# KiCad board DFTBoard.kicad_pcb (continued)
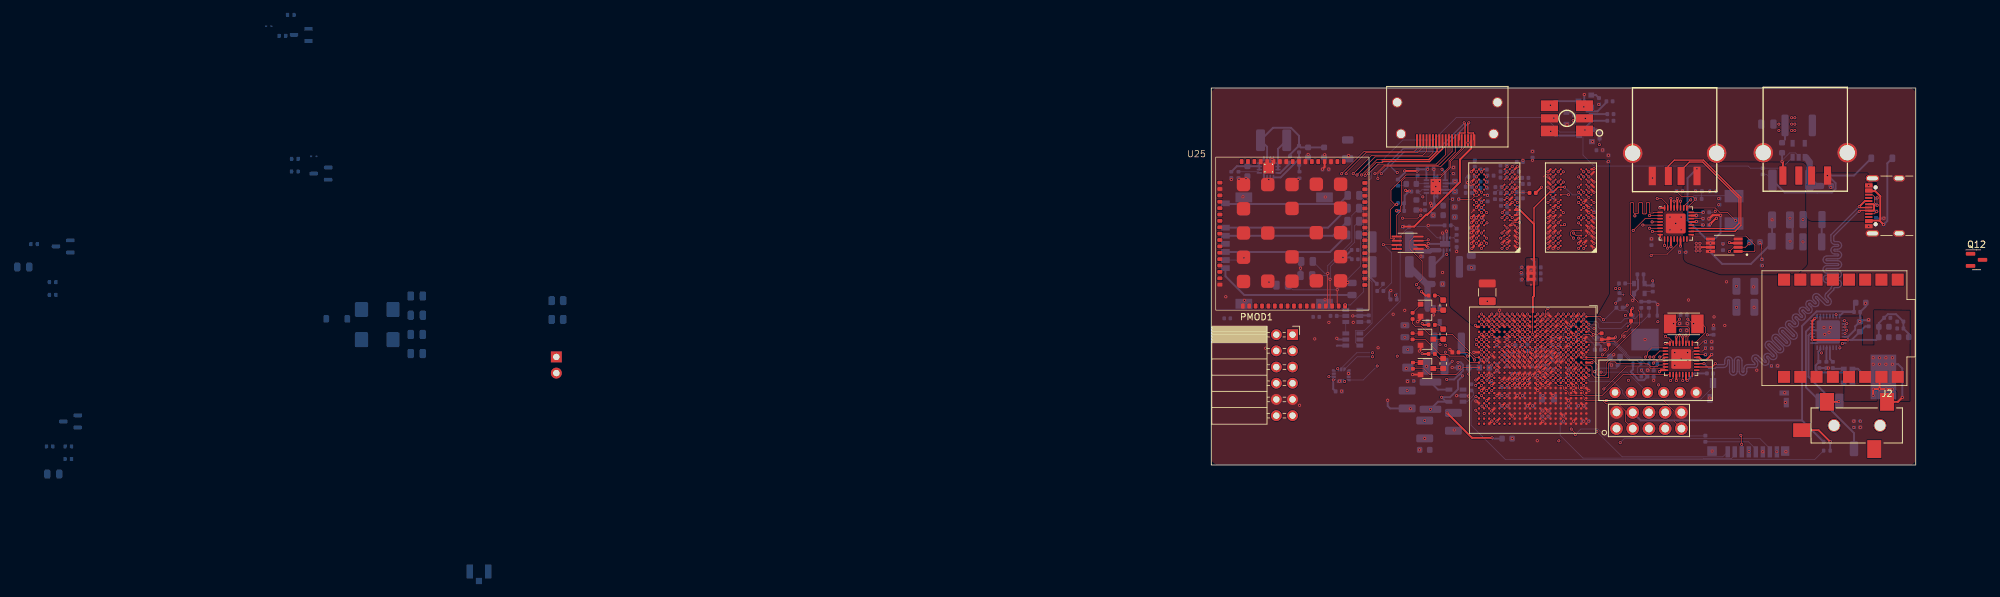
[diagram p0: board, top side]
## Routing (per net, layer and track width the routed paths; a pad name or vN(x,y) marks a point on that pad's centre or on a via; arc(x,y) is an arc through that point) (continued)
DDR3_DQS0_N: length 31.7
  TOP_GND w0.102: U16.G3 v1(57.51,38.77)
  TOP_GND w0.13: U20.D2 v1(56.71,22.88)
  SIGNAL2 w0.102: v1(56.71,22.88) 57.1,23.26 57.1,24.49 57.31,24.7 58.13,24.7 58.21,24.77 58.24,24.81 58.26,24.85 58.27,24.89 58.27,24.94 58.26,24.98 58.24,25.02 58.21,25.06 58.12,25.14 58.07,25.21 58.03,25.29 58.01,25.37 58.01,25.45 58.03,25.54 58.07,25.61 58.12,25.68 58.15,25.71 58.22,25.76 58.3,25.8 58.38,25.82 58.46,25.82 58.55,25.8 58.62,25.76 58.69,25.71 59.45,24.95 59.49,24.92 59.53,24.9 59.57,24.89 59.61,24.89 59.66,24.9 59.7,24.92 59.73,24.95 59.76,24.99 59.78,25.02 59.79,25.07 59.79,25.11 59.78,25.16 59.76,25.2 59.73,25.23 58.97,25.99 58.92,26.06 58.88,26.13 58.86,26.22 58.86,26.3 58.88,26.39 58.92,26.46 58.97,26.53 59,26.56 59.07,26.61 59.15,26.65 59.23,26.67 59.31,26.67 59.4,26.65 59.47,26.61 59.54,26.56 60.3,25.8 60.33,25.77 60.37,25.75 60.42,25.74 60.46,25.74 60.51,25.75 60.55,25.77 60.58,25.8 60.61,25.83 60.63,25.87 60.64,25.92 60.64,25.96 60.63,26 60.61,26.04 60.58,26.08 60.31,26.34 60.26,26.41 60.23,26.49 60.21,26.57 60.21,26.65 60.23,26.74 60.26,26.81 60.31,26.88 60.74,27.3 60.74,27.42 60.74,27.47 60.72,27.51 60.7,27.54 60.67,27.57 60.63,27.6 60.59,27.61 60.55,27.61 60.32,27.61 60.23,27.62 60.15,27.65 60.08,27.7 60.01,27.76 59.97,27.83 59.94,27.92 59.93,28 59.93,28.05 59.94,28.13 59.97,28.22 60.01,28.29 60.08,28.35 60.15,28.4 60.23,28.43 60.32,28.44 60.55,28.44 60.59,28.44 60.63,28.45 60.67,28.48 60.7,28.51 60.72,28.54 60.74,28.58 60.74,28.62 60.74,28.67 60.72,28.71 60.7,28.74 60.67,28.77 60.63,28.8 60.59,28.81 60.55,28.81 60.32,28.81 60.23,28.82 60.15,28.85 60.08,28.9 60.01,28.96 59.97,29.03 59.94,29.12 59.93,29.2 59.93,29.25 59.94,29.33 59.97,29.42 60.01,29.49 60.08,29.55 60.15,29.6 60.23,29.63 60.32,29.64 60.55,29.64 60.59,29.64 60.63,29.65 60.67,29.68 60.7,29.71 60.72,29.74 60.74,29.78 60.74,29.82 60.74,29.87 60.72,29.91 60.7,29.94 60.67,29.97 60.63,30 60.59,30.01 60.55,30.01 60.32,30.01 60.23,30.02 60.15,30.05 60.08,30.1 60.01,30.16 59.97,30.23 59.94,30.32 59.93,30.4 59.93,30.45 59.94,30.53 59.97,30.62 60.01,30.69 60.08,30.75 60.15,30.8 60.23,30.83 60.32,30.84 60.55,30.84 60.59,30.84 60.63,30.85 60.67,30.88 60.7,30.91 60.72,30.94 60.74,30.98 60.74,31.02 60.74,31.07 60.72,31.11 60.7,31.14 60.67,31.17 60.63,31.2 60.59,31.21 60.55,31.21 60.37,31.21 60.28,31.22 60.2,31.25 60.13,31.3 60.06,31.36 60.02,31.43 59.99,31.52 59.98,31.6 59.98,31.65 59.99,31.73 60.02,31.82 60.06,31.89 60.13,31.95 60.2,32 60.28,32.03 60.37,32.04 60.55,32.04 60.59,32.04 60.63,32.05 60.67,32.08 60.7,32.11 60.72,32.14 60.74,32.18 60.74,32.22 60.74,36.45 60.42,36.77 58.91,36.77 58.71,36.97 58.71,37.37 57.71,38.37 57.4,38.37 57.22,38.56 57.22,38.73 57.26,38.77 v1(57.51,38.77)
DDR3_DQS0_P: length 32.1
  TOP_GND w0.102: U16.F3 v1(58.31,38.77)
  TOP_GND w0.13: U20.C2 v1(57.51,22.88)
  SIGNAL2 w0.102: v1(57.51,22.88) 57.51,22.95 57.88,23.32 57.88,23.87 57.68,24.07 57.46,24.07 57.36,24.17 57.36,24.32 57.53,24.5 58.22,24.5 58.37,24.65 58.42,24.71 58.46,24.79 58.48,24.87 58.48,24.96 58.46,25.04 58.42,25.12 58.37,25.18 58.28,25.27 58.25,25.31 58.24,25.35 58.23,25.39 58.23,25.43 58.24,25.48 58.25,25.52 58.28,25.55 58.32,25.58 58.36,25.6 58.4,25.61 58.44,25.61 58.49,25.6 58.53,25.58 58.56,25.55 59.32,24.79 59.39,24.74 59.47,24.7 59.55,24.68 59.63,24.68 59.72,24.7 59.79,24.74 59.86,24.79 59.89,24.82 59.95,24.89 59.98,24.97 60,25.05 60,25.13 59.98,25.22 59.95,25.29 59.89,25.36 59.13,26.12 59.1,26.15 59.08,26.19 59.07,26.24 59.07,26.28 59.08,26.33 59.1,26.37 59.13,26.4 59.17,26.43 59.21,26.45 59.25,26.46 59.29,26.46 59.34,26.45 59.38,26.43 59.41,26.4 60.17,25.64 60.24,25.59 60.32,25.55 60.4,25.53 60.48,25.53 60.57,25.55 60.64,25.59 60.71,25.64 60.74,25.67 60.79,25.74 60.83,25.81 60.85,25.9 60.85,25.98 60.83,26.06 60.79,26.14 60.74,26.21 60.48,26.47 60.45,26.51 60.43,26.55 60.42,26.59 60.42,26.63 60.43,26.68 60.45,26.72 60.48,26.75 60.96,27.24 60.96,27.45 60.95,27.53 60.92,27.62 60.88,27.69 60.81,27.75 60.74,27.8 60.66,27.83 60.57,27.84 60.34,27.84 60.3,27.84 60.26,27.85 60.22,27.88 60.19,27.91 60.17,27.94 60.15,27.98 60.15,28.02 60.15,28.07 60.17,28.11 60.19,28.14 60.22,28.17 60.26,28.2 60.3,28.21 60.34,28.21 60.57,28.21 60.66,28.22 60.74,28.25 60.81,28.3 60.88,28.36 60.92,28.43 60.95,28.52 60.96,28.6 60.96,28.65 60.95,28.73 60.92,28.82 60.88,28.89 60.81,28.95 60.74,29 60.66,29.03 60.57,29.04 60.34,29.04 60.3,29.04 60.26,29.05 60.22,29.08 60.19,29.11 60.17,29.14 60.15,29.18 60.15,29.22 60.15,29.27 60.17,29.31 60.19,29.34 60.22,29.37 60.26,29.4 60.3,29.41 60.34,29.41 60.57,29.41 60.66,29.42 60.74,29.45 60.81,29.5 60.88,29.56 60.92,29.63 60.95,29.72 60.96,29.8 60.96,29.85 60.95,29.93 60.92,30.02 60.88,30.09 60.81,30.15 60.74,30.2 60.66,30.23 60.57,30.24 60.34,30.24 60.3,30.24 60.26,30.25 60.22,30.28 60.19,30.31 60.17,30.34 60.15,30.38 60.15,30.42 60.15,30.47 60.17,30.51 60.19,30.54 60.22,30.57 60.26,30.6 60.3,30.61 60.34,30.61 60.57,30.61 60.66,30.62 60.74,30.65 60.81,30.7 60.88,30.76 60.92,30.83 60.95,30.92 60.96,31 60.96,31.05 60.95,31.13 60.92,31.22 60.88,31.29 60.81,31.35 60.74,31.4 60.66,31.43 60.57,31.44 60.39,31.44 60.35,31.44 60.31,31.45 60.27,31.48 60.24,31.51 60.22,31.54 60.2,31.58 60.2,31.62 60.2,31.67 60.22,31.71 60.24,31.74 60.27,31.77 60.31,31.8 60.35,31.81 60.39,31.81 60.57,31.81 60.66,31.82 60.74,31.85 60.81,31.9 60.88,31.96 60.92,32.03 60.95,32.12 60.96,32.2 60.96,33.24 60.94,33.26 60.94,37.52 60.88,37.57 58.91,37.57 58.41,38.07 58.41,38.26 58.72,38.57 58.72,38.87 58.61,38.97 58.51,38.97 v1(58.31,38.77)
DDR3_DQS1_N: length 18.8
  TOP_GND w0.102: U16.B7 v1(54.31,34.77)
  TOP_GND w0.13: U20.J2 v1(52.71,22.88)
  SIGNAL2 w0.102: v1(52.71,22.88) 52.32,23.27 52.32,23.86 52.64,24.18 52.9,24.18 53.1,24.39 53.1,26.31 53.44,26.65 53.44,28.71 53.45,28.76 53.47,28.81 53.49,28.85 53.53,28.89 53.58,28.92 53.62,28.93 53.68,28.94 53.79,28.94 53.8,28.94 53.81,28.94 53.82,28.95 53.83,28.95 53.83,28.96 53.83,28.97 53.84,28.98 53.84,29.25 53.72,29.36 53.13,29.36 53.04,29.37 52.96,29.4 52.89,29.45 52.83,29.51 52.79,29.58 52.76,29.66 52.75,29.74 52.75,29.79 52.76,29.88 52.79,29.96 52.83,30.03 52.89,30.09 52.96,30.13 53.04,30.16 53.13,30.17 53.25,30.17 53.29,30.17 53.33,30.19 53.37,30.21 53.4,30.24 53.42,30.28 53.44,30.32 53.44,30.36 53.44,32.55 54.83,33.93 55.53,33.93 55.66,34.06 55.66,35.19 55.48,35.37 54.91,35.37 v1(54.31,34.77)
DDR3_DQS1_P: length 18.4
  TOP_GND w0.102: U16.C7 v1(54.31,35.57)
  TOP_GND w0.13: U20.H2 v1(53.51,22.88)
  SIGNAL2 w0.102: v1(53.51,22.88) 53.51,23.82 53.45,23.89 53.45,24.11 53.31,24.25 53.31,26.22 53.65,26.56 53.65,28.69 53.65,28.7 53.65,28.71 53.66,28.72 53.66,28.72 53.67,28.73 53.68,28.73 53.69,28.73 53.81,28.73 53.86,28.74 53.91,28.76 53.95,28.78 53.99,28.82 54.02,28.87 54.03,28.92 54.04,28.97 54.04,29.31 54.03,29.36 54.02,29.41 53.99,29.45 53.87,29.57 53.15,29.57 53.11,29.57 53.07,29.59 53.03,29.61 53,29.64 52.98,29.68 52.96,29.72 52.96,29.76 52.96,29.77 52.96,29.81 52.98,29.86 53,29.89 53.03,29.92 53.07,29.95 53.11,29.96 53.15,29.96 53.27,29.96 53.36,29.97 53.44,30 53.51,30.05 53.57,30.11 53.61,30.18 53.64,30.26 53.65,30.34 53.65,32.47 54.91,33.73 55.61,33.73 55.86,33.97 55.86,35.27 55.56,35.57 v1(54.31,35.57)
DDR3_DQS2_N: length 21.4
  TOP_GND w0.102: U15.G3 v1(45.51,38.77)
  TOP_GND w0.13: U20.P2 v1(47.91,22.88)
  SIGNAL2 w0.102: v1(47.91,22.88) 47.51,23.27 47.51,23.86 47.11,24.26 47.11,24.47 47.51,24.88 47.51,27.24 47.52,27.29 47.53,27.34 47.56,27.38 47.59,27.42 47.64,27.44 47.68,27.46 47.73,27.47 47.85,27.47 47.86,27.47 47.86,27.47 47.87,27.47 47.88,27.48 47.88,27.49 47.88,27.49 47.88,27.5 47.88,27.64 47.88,27.64 47.88,27.65 47.87,27.65 47.84,27.69 47.28,27.69 47.21,27.69 47.15,27.71 47.1,27.75 47.05,27.79 47.02,27.85 46.99,27.91 46.99,27.97 46.99,28.01 46.99,28.07 47.02,28.13 47.05,28.19 47.1,28.23 47.15,28.27 47.21,28.29 47.28,28.3 47.85,28.3 47.86,28.3 47.86,28.3 47.87,28.3 47.88,28.31 47.88,28.32 47.88,28.32 47.88,28.33 47.88,28.47 47.88,28.48 47.88,28.48 47.88,28.49 47.87,28.49 47.86,28.5 47.86,28.5 47.85,28.5 47.28,28.5 47.21,28.51 47.15,28.53 47.1,28.56 47.05,28.61 47.02,28.66 46.99,28.73 46.99,28.79 46.99,28.82 46.99,28.89 47.02,28.95 47.05,29 47.1,29.05 47.15,29.08 47.21,29.11 47.28,29.11 47.41,29.11 47.43,29.12 47.45,29.12 47.47,29.14 47.49,29.15 47.5,29.17 47.51,29.19 47.51,29.22 47.51,29.42 47.28,29.65 47.28,32.31 47.29,32.32 47.29,36.99 46.71,37.57 46.37,37.57 45.51,38.44 v1(45.51,38.77)
DDR3_DQS2_P: length 21.8
  TOP_GND w0.102: U15.F3 v1(46.31,38.77)
  TOP_GND w0.13: U20.N2 v1(48.71,22.88)
  SIGNAL2 w0.102: v1(48.71,22.88) 48.32,23.27 48.32,23.92 47.71,24.52 47.71,27.23 47.71,27.24 47.72,27.24 47.72,27.25 47.73,27.26 47.73,27.26 47.74,27.26 47.75,27.26 47.86,27.26 47.91,27.27 47.96,27.28 48,27.31 48.04,27.35 48.06,27.39 48.08,27.44 48.09,27.49 48.09,27.65 48.08,27.7 48.06,27.75 48.04,27.79 48,27.83 47.96,27.85 47.92,27.89 47.29,27.89 47.27,27.89 47.25,27.9 47.23,27.91 47.21,27.93 47.2,27.95 47.19,27.97 47.19,27.99 47.19,28.01 47.2,28.04 47.21,28.05 47.23,28.07 47.25,28.08 47.27,28.09 47.29,28.09 47.86,28.09 47.91,28.1 47.96,28.12 48,28.14 48.04,28.18 48.06,28.22 48.08,28.27 48.09,28.32 48.09,28.48 48.08,28.53 48.06,28.58 48.04,28.62 48,28.66 47.96,28.68 47.91,28.7 47.86,28.71 47.29,28.71 47.27,28.71 47.25,28.72 47.23,28.73 47.21,28.74 47.2,28.76 47.19,28.78 47.19,28.81 47.19,28.83 47.2,28.85 47.21,28.87 47.23,28.89 47.25,28.9 47.27,28.91 47.29,28.91 47.43,28.91 47.49,28.92 47.55,28.94 47.61,28.97 47.65,29.02 47.69,29.07 47.71,29.13 47.71,29.2 47.71,29.51 47.49,29.73 47.49,37.95 47.28,38.16 46.12,38.16 46.01,38.27 46.01,38.47 v1(46.31,38.77)
DDR3_DQS3_N: length 18.3
  TOP_GND w0.102: U15.B7 v1(43.11,34.77)
  TOP_GND w0.13: U20.W2 v1(43.91,22.88)
  SIGNAL1 w0.102: v1(43.11,34.77) 43.66,34.22 43.66,34.07 43.46,33.87 43.46,33.67 43.66,33.47 43.66,29.4 43.65,29.34 43.63,29.28 43.6,29.23 43.56,29.18 43.5,29.15 43.45,29.13 43.38,29.12 43.18,29.12 43.07,29.11 42.96,29.08 42.87,29.02 42.79,28.94 42.73,28.84 42.7,28.74 42.68,28.63 42.68,28.57 42.7,28.46 42.73,28.36 42.79,28.26 42.87,28.18 42.96,28.12 43.07,28.09 43.18,28.07 44.06,28.07 44.07,28.07 44.08,28.07 44.09,28.06 44.09,28.05 44.09,27.55 44.08,27.54 44.08,27.53 44.07,27.53 44.06,27.52 43.18,27.52 43.07,27.51 42.96,27.48 42.87,27.42 42.79,27.34 42.73,27.24 42.7,27.14 42.68,27.03 42.68,26.97 42.7,26.86 42.73,26.76 42.79,26.66 42.87,26.58 42.96,26.52 43.07,26.49 43.18,26.47 44.01,26.47 44.08,26.41 44.08,26.4 44.08,26.39 44.09,26.38 44.09,25.88 44.08,25.87 44.08,25.86 44.07,25.85 44.06,25.85 43.92,25.85 43.86,25.84 43.81,25.82 43.76,25.79 43.72,25.75 43.69,25.7 43.67,25.65 43.66,25.59 43.66,24.27 43.21,23.82 43.21,23.57 v1(43.91,22.88)
DDR3_DQS3_P: length 19.2
  TOP_GND w0.102: U15.C7 v1(43.11,35.57) ; U20.V2 v1(44.71,22.88)
  SIGNAL1 w0.102: v1(44.71,22.88) 44.31,23.27 44.31,23.88 43.91,24.27 43.91,25.57 43.91,25.59 43.92,25.6 43.93,25.6 43.94,25.6 44.08,25.6 44.13,25.61 44.19,25.63 44.24,25.66 44.28,25.7 44.31,25.75 44.33,25.8 44.34,25.86 44.34,26.39 44.33,26.45 44.31,26.5 44.09,26.72 43.21,26.72 43.15,26.73 43.09,26.75 43.04,26.78 42.99,26.83 42.96,26.88 42.94,26.94 42.93,27 42.94,27.06 42.96,27.12 42.99,27.17 43.04,27.22 43.09,27.25 43.15,27.27 43.21,27.27 44.08,27.27 44.13,27.28 44.19,27.3 44.24,27.33 44.28,27.37 44.31,27.42 44.33,27.48 44.34,27.53 44.34,28.07 44.33,28.12 44.31,28.18 44.28,28.23 44.24,28.27 44.19,28.3 44.13,28.32 44.08,28.32 43.21,28.32 43.15,28.33 43.09,28.35 43.04,28.38 42.99,28.43 42.96,28.48 42.94,28.54 42.93,28.6 42.94,28.66 42.96,28.72 42.99,28.77 43.04,28.82 43.09,28.85 43.15,28.87 43.21,28.88 43.42,28.88 43.53,28.89 43.63,28.92 43.72,28.98 43.8,29.06 43.86,29.16 43.9,29.26 43.91,29.37 43.91,35.22 43.56,35.57 v1(43.11,35.57)
DDR3_DRST#: length 53.9
  TOP_GND w0.102: U15.T2 v1(47.11,46.77) ; U16.T2 v1(59.11,45.97)
  TOP_GND w0.13: 54.71,21.67 v1(55.11,22.07)
  SIGNAL2 w0.102: v1(47.11,46.77) 47.61,47.27 49.96,47.27 49.99,47.27 50.02,47.26 50.04,47.25 50.06,47.22 50.08,47.2 50.09,47.17 50.1,47.11 50.11,47.08 50.12,47.06 50.14,47.04 50.17,47.02 50.2,47.01 50.23,47.01 50.36,47.01 50.39,47.01 50.42,47.02 50.44,47.04 50.46,47.06 50.48,47.08 50.49,47.11 50.5,47.17 50.51,47.2 50.52,47.22 50.54,47.25 50.57,47.26 50.6,47.27 50.63,47.27 57.81,47.27 v1(59.11,45.97)
  SIGNAL4 w0.102: v1(59.11,45.97) 59.51,46.37 59.52,46.37 59.52,46.32 59.75,46.09 60.08,46.09 60.31,46.32 60.31,46.37 61.51,46.37 64.76,43.12 64.76,30.82 59.21,25.27 59.21,23.88 58.61,23.27 58.11,23.27 57.93,23.46 57.93,24.2 57.81,24.32 57.26,24.32 57.1,24.16 57.1,23.49 57.11,23.48 57.11,21.89 56.9,21.68 56.52,21.68 56.52,21.68 56.36,21.52 56.36,21.14 56.09,20.88 55.73,20.88 55.51,21.09 55.51,21.47 55.51,21.47 55.51,21.67 v1(55.11,22.07)
  BOTTOM w0.102: R74.1 47.11,46.81 v1(47.11,46.77)
DDR3_ODT: length 48.4
  TOP_GND w0.102: U16.K1 v1(59.91,41.17) ; U15.K1 v1(47.91,41.17)
  TOP_GND w0.13: U20.P5 v1(47.91,20.47)
  SIGNAL2 w0.102: v1(59.91,41.17) 59.5,41.58 58.92,41.58 58.72,41.79 58.7,41.79 58.41,42.07 58.19,42.07 57.69,41.57 51.56,41.57 51.41,41.42 48.16,41.42 v1(47.91,41.17)
  SIGNAL4 w0.102: v1(47.91,20.47) 47.91,20.81 47.92,20.82 48.06,20.82 48.31,21.07 48.31,24.85 48.33,24.87 48.36,24.88 48.39,24.89 48.42,24.89 48.46,24.88 48.48,24.87 48.51,24.85 48.62,24.74 48.64,24.72 48.67,24.71 48.7,24.7 48.73,24.7 48.76,24.71 48.79,24.72 48.82,24.74 48.9,24.83 48.92,24.85 48.93,24.88 48.94,24.91 48.94,24.94 48.93,24.97 48.92,25 48.9,25.02 48.45,25.48 48.43,25.5 48.41,25.53 48.41,25.56 48.41,25.59 48.41,25.62 48.43,25.65 48.45,25.67 48.53,25.76 48.56,25.78 48.59,25.79 48.62,25.8 48.65,25.8 48.68,25.79 48.71,25.78 48.73,25.76 49.18,25.31 49.21,25.29 49.24,25.27 49.27,25.27 49.3,25.27 49.33,25.27 49.36,25.29 49.38,25.31 49.47,25.39 49.49,25.42 49.5,25.44 49.51,25.47 49.51,25.51 49.5,25.54 49.49,25.56 49.47,25.59 49.01,26.04 48.99,26.07 48.98,26.09 48.97,26.12 48.97,26.16 48.98,26.19 48.99,26.21 49.01,26.24 49.1,26.32 49.12,26.34 49.15,26.36 49.18,26.36 49.21,26.36 49.24,26.36 49.27,26.34 49.3,26.32 49.78,25.84 49.81,25.82 49.84,25.8 49.87,25.8 49.9,25.8 49.93,25.8 49.96,25.82 49.98,25.84 50.07,25.92 50.09,25.95 50.1,25.97 50.11,26 50.11,26.04 50.1,26.07 50.09,26.09 50.07,26.12 49.58,26.61 49.56,26.63 49.55,26.66 49.54,26.69 49.54,26.72 49.55,26.75 49.56,26.78 49.58,26.81 49.66,26.89 49.69,26.91 49.72,26.92 49.75,26.93 49.78,26.93 49.81,26.92 49.84,26.91 49.86,26.89 50.35,26.4 50.37,26.38 50.4,26.37 50.43,26.36 50.46,26.36 50.5,26.37 50.52,26.38 50.55,26.4 50.63,26.49 50.65,26.51 50.67,26.54 50.67,26.57 50.67,26.6 50.67,26.63 50.65,26.66 50.63,26.69 50.15,27.17 50.13,27.2 50.11,27.23 50.1,27.26 50.1,27.29 50.11,27.32 50.13,27.35 50.15,27.37 50.23,27.46 50.25,27.48 50.28,27.49 50.31,27.5 50.34,27.5 50.38,27.49 50.4,27.48 50.43,27.46 50.57,27.31 50.6,27.29 50.63,27.28 50.66,27.27 50.69,27.27 50.72,27.28 50.75,27.29 50.77,27.31 51.58,28.12 56.25,32.79 56.25,36.5 56.36,36.61 56.36,37.42 57.09,38.16 57.11,38.16 57.34,38.38 57.7,38.38 57.9,38.59 57.9,39.22 57.91,39.22 57.91,39.87 58.01,39.97 58.56,39.97 58.71,40.12 58.71,40.77 59.11,41.17 v1(59.91,41.17)
  BOTTOM w0.102: v1(47.91,41.17) 47.82,41.26 R72.1
DDR3_RAS#: length 46.2
  TOP_GND w0.102: U16.J3 v1(57.51,41.17) ; U15.J3 46.31,41.18 v1(46.31,41.18)
  TOP_GND w0.13: U20.R5 v1(47.11,20.47)
  SIGNAL2 w0.102: v1(57.51,41.17) 54.89,41.17 54.48,40.77 52.6,40.77 52.58,40.77 52.56,40.76 52.53,40.74 52.52,40.73 52.5,40.71 52.5,40.68 52.49,40.63 52.48,40.61 52.47,40.59 52.45,40.57 52.43,40.56 52.41,40.55 52.38,40.55 52.2,40.55 52.18,40.55 52.16,40.56 52.13,40.57 52.02,40.68 52.02,40.99 52.01,41.03 51.99,41.07 51.96,41.1 51.92,41.12 51.88,41.13 51.84,41.14 51.81,41.14 51.77,41.13 51.73,41.12 51.7,41.1 51.67,41.07 51.65,41.03 51.63,40.99 51.62,40.91 51.61,40.87 51.59,40.84 51.56,40.81 51.52,40.79 51.48,40.77 51.44,40.77 51.05,40.77 50.21,39.92 49.26,39.92 48.41,40.77 46.72,40.77 v1(46.31,41.18)
  SIGNAL4 w0.102: v1(57.51,41.17) 54.71,38.37 54.71,33.52 49.47,28.28 48.78,27.6 48.76,27.58 48.73,27.56 48.7,27.55 48.67,27.55 48.63,27.56 48.61,27.58 48.58,27.6 48.45,27.73 48.42,27.75 48.4,27.76 48.37,27.77 48.33,27.77 48.3,27.76 48.28,27.75 48.25,27.73 48.17,27.64 48.15,27.62 48.13,27.59 48.13,27.56 48.13,27.53 48.13,27.5 48.15,27.47 48.17,27.45 48.63,26.98 48.65,26.96 48.66,26.93 48.67,26.9 48.67,26.87 48.66,26.84 48.65,26.81 48.63,26.78 48.55,26.7 48.52,26.68 48.49,26.67 48.46,26.66 48.43,26.66 48.4,26.67 48.37,26.68 48.35,26.7 47.88,27.16 47.86,27.18 47.83,27.2 47.8,27.2 47.77,27.2 47.74,27.2 47.71,27.18 47.69,27.16 47.6,27.08 47.58,27.05 47.57,27.02 47.56,26.99 47.56,26.96 47.57,26.93 47.58,26.9 47.6,26.88 48.06,26.42 48.08,26.39 48.1,26.36 48.1,26.33 48.1,26.3 48.1,26.27 48.08,26.24 48.06,26.22 47.98,26.13 47.96,26.11 47.93,26.1 47.9,26.09 47.87,26.09 47.83,26.1 47.81,26.11 47.78,26.13 47.32,26.6 47.29,26.62 47.26,26.63 47.23,26.64 47.2,26.64 47.17,26.63 47.14,26.62 47.12,26.6 47.03,26.51 47.02,26.49 47,26.46 46.99,26.43 46.99,26.4 47,26.37 47.02,26.34 47.03,26.31 47.5,25.85 47.52,25.83 47.53,25.8 47.54,25.77 47.54,25.74 47.53,25.7 47.52,25.68 47.5,25.65 47.41,25.57 47.39,25.55 47.36,25.53 47.33,25.53 47.3,25.53 47.27,25.53 47.24,25.55 47.22,25.57 47.08,25.7 47.06,25.72 47.03,25.73 47,25.74 46.97,25.74 46.94,25.73 46.91,25.72 46.88,25.7 46.71,25.52 46.71,21.82 46.86,21.67 47.36,21.67 47.51,21.52 47.51,20.88 v1(47.11,20.47)
  BOTTOM w0.3: v1(46.31,41.18) 46.31,41.18 R69.1
DDR3_VTT: length 3.2
  TOP_GND w0.3: 50.81,42.67 v1(51.71,43.57)
  BOTTOM w0.102: R57.2 39.98,45.22 39.82,45.07 R55.2
DDR3_VTT_EN: length 67.6
  TOP_GND w0.102: 57.91,19.26 v1(58.29,18.87)
  SIGNAL4 w0.102: v1(33.12,42.04) 33.12,42.22 35.32,44.41 35.32,44.66 37.93,47.27 47.51,47.27 47.61,47.17 61.22,47.17 65.21,43.19 65.21,27.97 59.82,22.58 59.82,21.88 59.52,21.58 59.52,21.2 59.73,21 59.87,21 60.2,20.66 60.2,20.29 59.4,19.48 58.83,19.48 58.29,18.95 v1(58.29,18.87)
  BOTTOM w0.102: v1(33.12,42.04) 33.12,42.05 32.29,42.87 32.69,42.87 32.98,43.16 U8.7
DDR3_WE#: length 41.8
  TOP_GND w0.102: U16.L3 v1(57.51,42.77) ; U15.L3 46.28,42.75
  TOP_GND w0.13: U20.R4 v1(47.11,21.27)
  SIGNAL4 w0.102: v1(46.28,42.78) 46.35,42.71 46.61,42.71 46.93,42.39 47.24,42.39 47.26,42.37 51.21,42.37 51.25,42.37 51.3,42.36 51.33,42.33 51.37,42.3 51.39,42.26 51.4,42.22 51.41,42.17 51.41,42.09 51.42,42.04 51.43,42 51.45,41.96 51.49,41.93 51.52,41.91 51.57,41.89 51.61,41.89 51.65,41.89 51.7,41.91 51.73,41.93 51.77,41.96 51.79,42 51.8,42.04 51.81,42.09 51.81,42.66 51.82,42.71 51.83,42.75 51.85,42.79 51.89,42.82 51.92,42.84 51.97,42.86 52.01,42.86 52.05,42.86 52.1,42.84 52.13,42.82 52.17,42.79 52.19,42.75 52.2,42.71 52.21,42.66 52.21,42.57 52.22,42.53 52.23,42.49 52.25,42.45 52.29,42.42 52.32,42.39 52.37,42.38 52.41,42.37 54.41,42.37 54.81,42.77 v1(57.51,42.77) 56.96,42.22 56.96,42.01 53.91,38.96 53.91,33.8 45.91,25.8 45.91,21.88 46.51,21.27 v1(47.11,21.27)
HDMI_B_N: length 98.6
  TOP_GND w0.102: Je1.3 33.2,49.87 32.33,49 24.23,49 21.11,45.88 v1(21.11,45.67) ; 42.71,17.67 v1(42.31,18.07)
  SIGNAL1 w0.102: v1(21.11,45.67) 21.11,43.52 arc(21.14,43.45) 21.21,43.42 21.76,43.42 arc(22.18,43.25) 22.36,42.82 arc(22.18,42.4) 21.76,42.22 19.96,42.22 arc(19.89,42.19) 19.86,42.12 arc(19.89,42.04) 19.96,42.01 21.76,42.01 arc(22.18,41.84) 22.36,41.41 arc(22.18,40.99) 21.76,40.81 19.96,40.81 arc(19.89,40.78) 19.86,40.71 arc(19.89,40.64) 19.96,40.61 21.76,40.61 arc(22.18,40.43) 22.36,40 arc(22.18,39.58) 21.76,39.4 19.96,39.4 arc(19.89,39.37) 19.86,39.3 arc(19.89,39.23) 19.96,39.2 21.76,39.2 arc(22.18,39.02) 22.36,38.6 arc(22.18,38.17) 21.76,37.99 19.96,37.99 arc(19.89,37.97) 19.86,37.89 arc(19.89,37.82) 19.96,37.79 21.76,37.79 arc(22.18,37.61) 22.36,37.19 arc(22.18,36.76) 21.76,36.59 19.96,36.59 arc(19.89,36.56) 19.86,36.48 arc(19.89,36.41) 19.96,36.38 20.51,36.38 arc(20.93,36.21) 21.11,35.78 21.11,35.19 21.99,34.31 arc(22.13,34.25) 22.27,34.31 22.61,34.65 arc(22.9,34.77) 23.18,34.65 arc(23.3,34.37) 23.18,34.08 22.08,32.98 arc(22.02,32.84) 22.08,32.7 arc(22.22,32.64) 22.36,32.7 23.46,33.8 arc(23.75,33.92) 24.03,33.8 arc(24.15,33.52) 24.03,33.24 22.93,32.13 arc(22.87,31.99) 22.93,31.85 arc(23.07,31.79) 23.21,31.85 24.31,32.96 arc(24.59,33.07) 24.88,32.96 arc(25,32.67) 24.88,32.39 23.77,31.28 arc(23.72,31.14) 23.77,31 arc(23.91,30.94) 24.05,31 25.16,32.11 arc(25.44,32.22) 25.73,32.11 arc(25.84,31.82) 25.73,31.54 24.62,30.43 arc(24.56,30.29) 24.62,30.15 arc(24.76,30.1) 24.9,30.15 26.01,31.26 arc(26.29,31.38) 26.58,31.26 arc(26.69,30.97) 26.58,30.69 25.47,29.59 arc(25.41,29.45) 25.47,29.31 arc(25.61,29.25) 25.75,29.31 26.86,30.41 arc(27.14,30.53) 27.42,30.41 arc(27.54,30.13) 27.42,29.84 26.32,28.74 arc(26.26,28.6) 26.32,28.46 arc(26.46,28.4) 26.6,28.46 26.94,28.8 arc(27.22,28.91) 27.51,28.8 38.23,18.07 v1(42.31,18.07)
HDMI_B_P: length 99.1
  TOP_GND w0.102: v1(20.41,45.67) 23.94,49.2 31.78,49.2 32.2,49.62 Je1.1 ; U20.AA9 v1(42.31,17.27)
  SIGNAL1 w0.102: v1(42.31,17.27) 40.93,17.27 40.66,17.54 39.2,17.54 38.48,17.54 27.36,28.65 arc(27.22,28.71) 27.08,28.65 26.74,28.31 arc(26.46,28.2) 26.18,28.31 arc(26.06,28.6) 26.18,28.88 27.28,29.99 arc(27.34,30.13) 27.28,30.27 arc(27.14,30.32) 27,30.27 25.9,29.16 arc(25.61,29.04) 25.33,29.16 arc(25.21,29.45) 25.33,29.73 26.43,30.83 arc(26.49,30.97) 26.43,31.11 arc(26.29,31.17) 26.15,31.11 25.05,30.01 arc(24.76,29.89) 24.48,30.01 arc(24.36,30.29) 24.48,30.58 25.58,31.68 arc(25.64,31.82) 25.58,31.96 arc(25.44,32.02) 25.3,31.96 24.2,30.86 arc(23.91,30.74) 23.63,30.86 arc(23.51,31.14) 23.63,31.43 24.73,32.53 arc(24.79,32.67) 24.73,32.81 arc(24.59,32.87) 24.45,32.81 23.35,31.71 arc(23.07,31.59) 22.78,31.71 arc(22.66,31.99) 22.78,32.28 23.89,33.38 arc(23.94,33.52) 23.89,33.66 arc(23.75,33.72) 23.61,33.66 22.5,32.56 arc(22.22,32.44) 21.93,32.56 arc(21.82,32.84) 21.93,33.12 23.04,34.23 arc(23.1,34.37) 23.04,34.51 arc(22.9,34.57) 22.76,34.51 22.42,34.17 arc(22.13,34.05) 21.85,34.17 20.61,35.41 20.61,35.78 arc(20.58,35.85) 20.51,35.88 19.96,35.88 arc(19.54,36.06) 19.36,36.48 arc(19.54,36.91) 19.96,37.09 21.76,37.09 arc(21.83,37.12) 21.86,37.19 arc(21.83,37.26) 21.76,37.29 19.96,37.29 arc(19.54,37.47) 19.36,37.89 arc(19.54,38.32) 19.96,38.49 21.76,38.49 arc(21.83,38.52) 21.86,38.6 arc(21.83,38.67) 21.76,38.7 19.96,38.7 arc(19.54,38.88) 19.36,39.3 arc(19.54,39.73) 19.96,39.9 21.76,39.9 arc(21.83,39.93) 21.86,40 arc(21.83,40.08) 21.76,40.11 19.96,40.11 arc(19.54,40.28) 19.36,40.71 arc(19.54,41.13) 19.96,41.31 21.76,41.31 arc(21.83,41.34) 21.86,41.41 arc(21.83,41.49) 21.76,41.51 19.96,41.51 arc(19.54,41.69) 19.36,42.12 arc(19.54,42.54) 19.96,42.72 21.76,42.72 arc(21.83,42.75) 21.86,42.82 arc(21.83,42.89) 21.76,42.92 21.21,42.92 arc(20.79,43.1) 20.61,43.52 20.41,43.72 v1(20.41,45.67)
HDMI_CEC: length 50
  TOP_GND w0.102: U20.W5 v1(43.91,20.47) ; Je1.13 38.2,49.08 35.89,46.77 27.15,46.77 26.08,45.7 v1(26.08,44.92)
  SIGNAL1 w0.102: v1(26.08,44.92) 28.03,44.92 30.33,42.62 30.33,33.5 42.96,20.87 43.52,20.87 v1(43.91,20.47)
HDMI_CLK_N: length 96.3
  TOP_GND w0.102: v1(25.61,45.67) 25.77,45.67 27.06,46.97 35.5,46.97 37.7,49.17 Je1.12 ; 43.51,17.67 v1(43.11,18.07)
  SIGNAL2 w0.102: v1(25.61,45.67) 25.61,45.27 25.21,44.87 25.21,44.57 arc(25.27,44.43) 25.41,44.38 25.91,44.38 arc(26.19,44.26) 26.31,43.97 arc(26.19,43.69) 25.91,43.57 24.31,43.57 arc(24.17,43.52) 24.11,43.37 arc(24.17,43.23) 24.31,43.18 25.91,43.18 arc(26.19,43.06) 26.31,42.77 arc(26.19,42.49) 25.91,42.37 24.31,42.37 arc(24.17,42.32) 24.11,42.17 arc(24.17,42.03) 24.31,41.98 25.91,41.98 arc(26.19,41.86) 26.31,41.57 arc(26.19,41.29) 25.91,41.17 24.31,41.17 arc(24.17,41.12) 24.11,40.97 arc(24.17,40.83) 24.31,40.78 25.91,40.78 arc(26.19,40.66) 26.31,40.37 arc(26.19,40.09) 25.91,39.97 24.31,39.97 arc(24.17,39.92) 24.11,39.77 arc(24.17,39.63) 24.31,39.58 25.91,39.58 arc(26.19,39.46) 26.31,39.17 arc(26.19,38.89) 25.91,38.77 24.31,38.77 arc(24.17,38.72) 24.11,38.57 arc(24.17,38.43) 24.31,38.38 25.91,38.38 arc(26.19,38.26) 26.31,37.97 arc(26.19,37.69) 25.91,37.57 24.31,37.57 arc(24.17,37.52) 24.11,37.37 arc(24.17,37.23) 24.31,37.18 25.91,37.18 arc(26.19,37.06) 26.31,36.77 arc(26.19,36.49) 25.91,36.37 24.31,36.37 arc(24.17,36.32) 24.11,36.17 arc(24.17,36.03) 24.31,35.98 25.91,35.98 arc(26.19,35.86) 26.31,35.57 arc(26.19,35.29) 25.91,35.17 24.31,35.17 arc(24.17,35.12) 24.11,34.97 arc(24.17,34.83) 24.31,34.78 24.81,34.78 arc(25.09,34.66) 25.21,34.37 25.21,33.86 25.35,33.72 arc(25.49,33.66) 25.63,33.72 25.99,34.08 arc(26.27,34.19) 26.56,34.08 arc(26.67,33.79) 26.56,33.51 25.42,32.37 arc(25.36,32.23) 25.42,32.09 arc(25.56,32.04) 25.7,32.09 26.06,32.45 arc(26.34,32.57) 26.62,32.45 27.2,31.87 27.56,31.87 arc(27.84,31.75) 27.96,31.47 27.96,30.97 arc(28.01,30.83) 28.16,30.77 arc(28.3,30.83) 28.35,30.97 28.35,32.52 arc(28.47,32.8) 28.75,32.92 arc(29.04,32.8) 29.16,32.52 29.16,32.07 arc(29.21,31.93) 29.35,31.87 29.62,31.87 29.89,31.59 arc(30.01,31.3) 29.89,31.02 29.54,30.66 arc(29.48,30.52) 29.54,30.38 arc(29.67,30.33) 29.81,30.38 30.17,30.74 arc(30.46,30.86) 30.74,30.74 30.76,30.74 31.36,30.14 31.36,30.13 arc(31.48,29.84) 31.36,29.55 31.01,29.2 arc(30.95,29.06) 31.01,28.92 arc(31.14,28.86) 31.28,28.92 31.64,29.28 arc(31.92,29.4) 32.21,29.28 32.23,29.26 33.63,27.85 33.63,23.42 38.59,18.47 42.72,18.47 v1(43.11,18.07)
